# KiCad board vanilla-ice40-8k.kicad_pcb
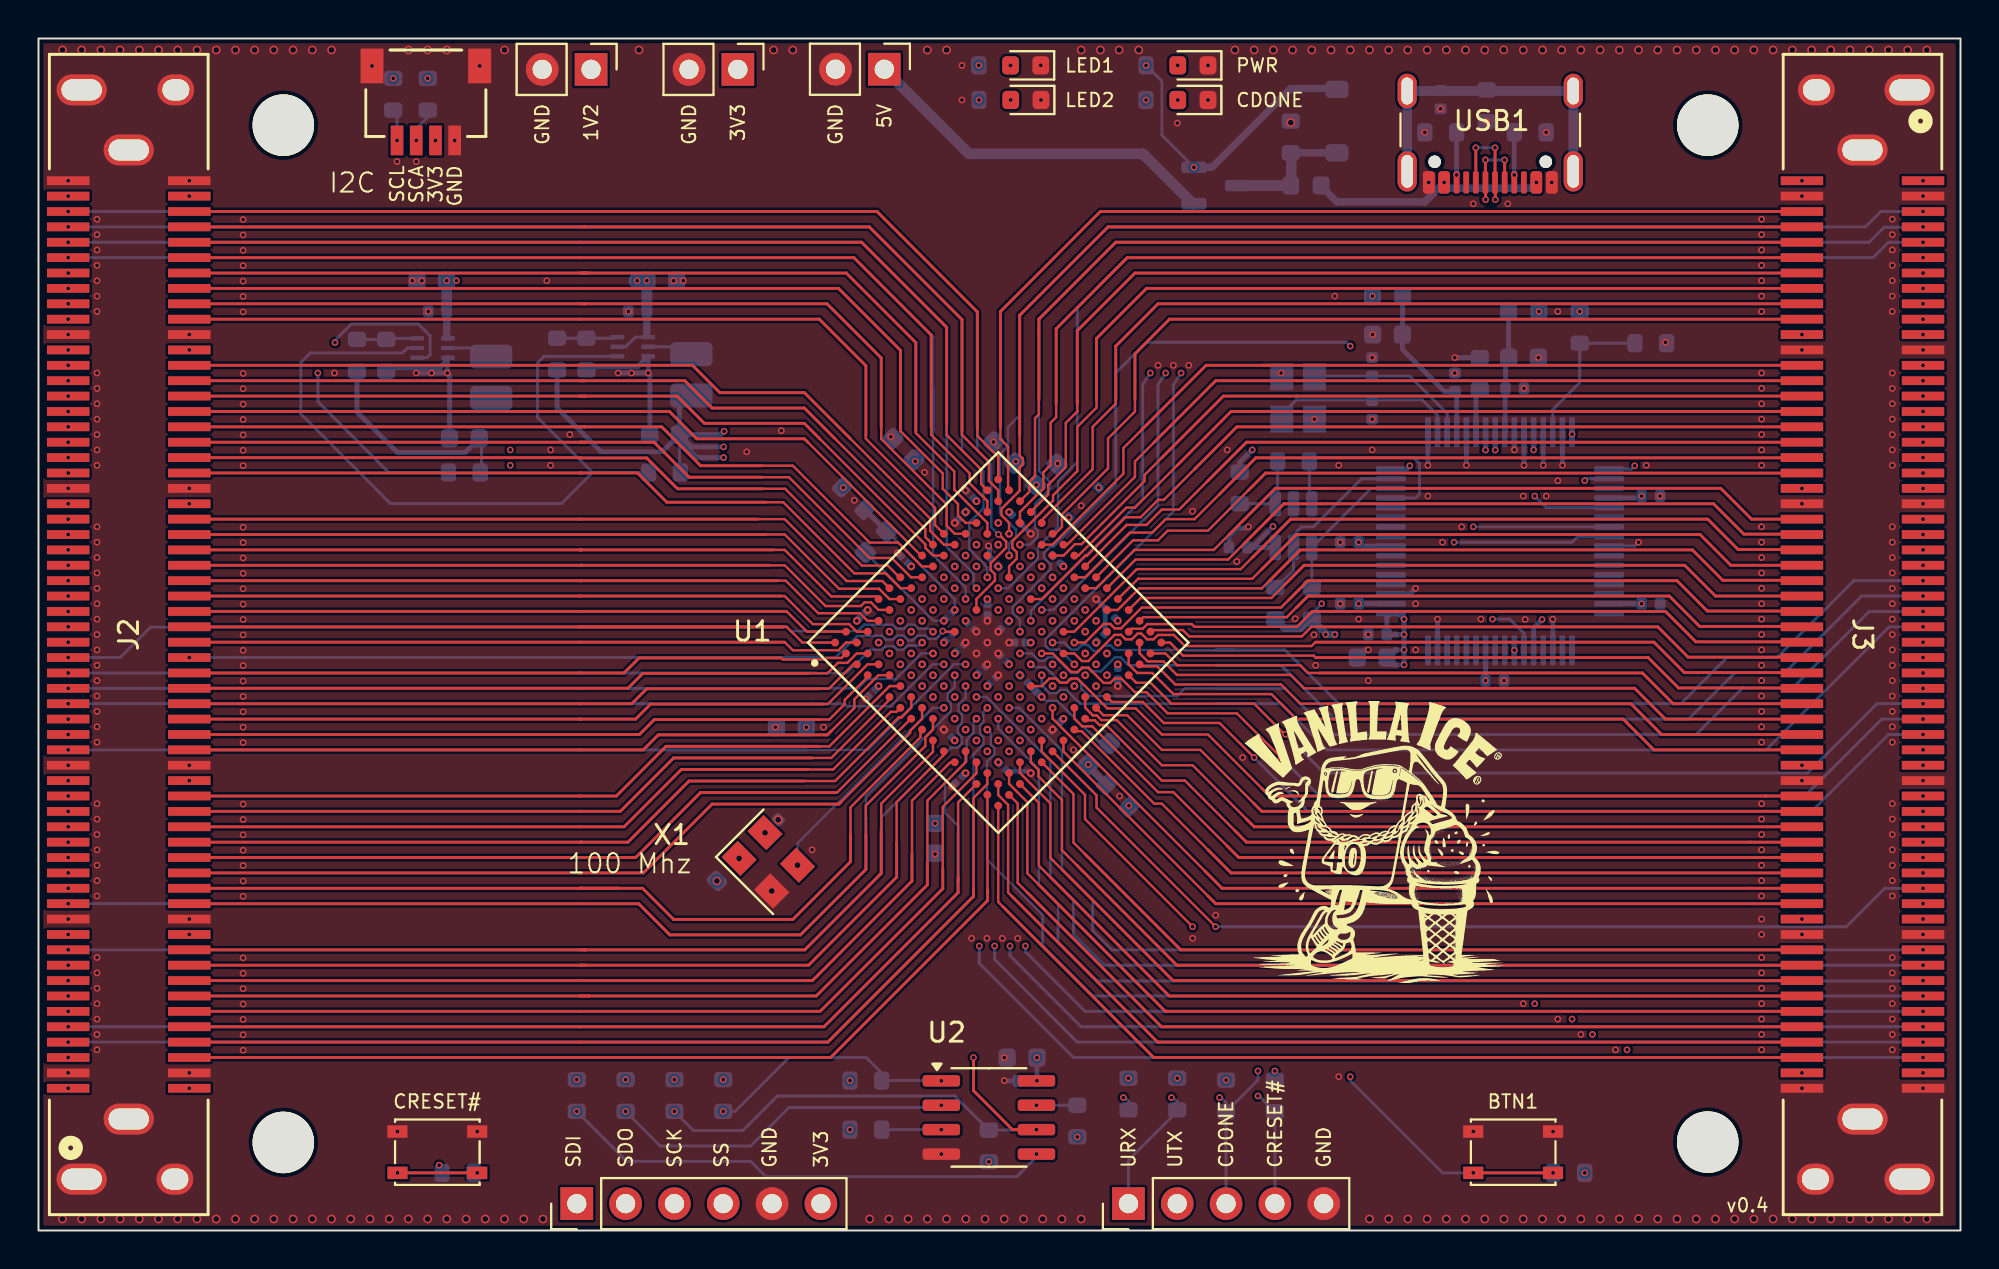
[diagram p0: board, top side]
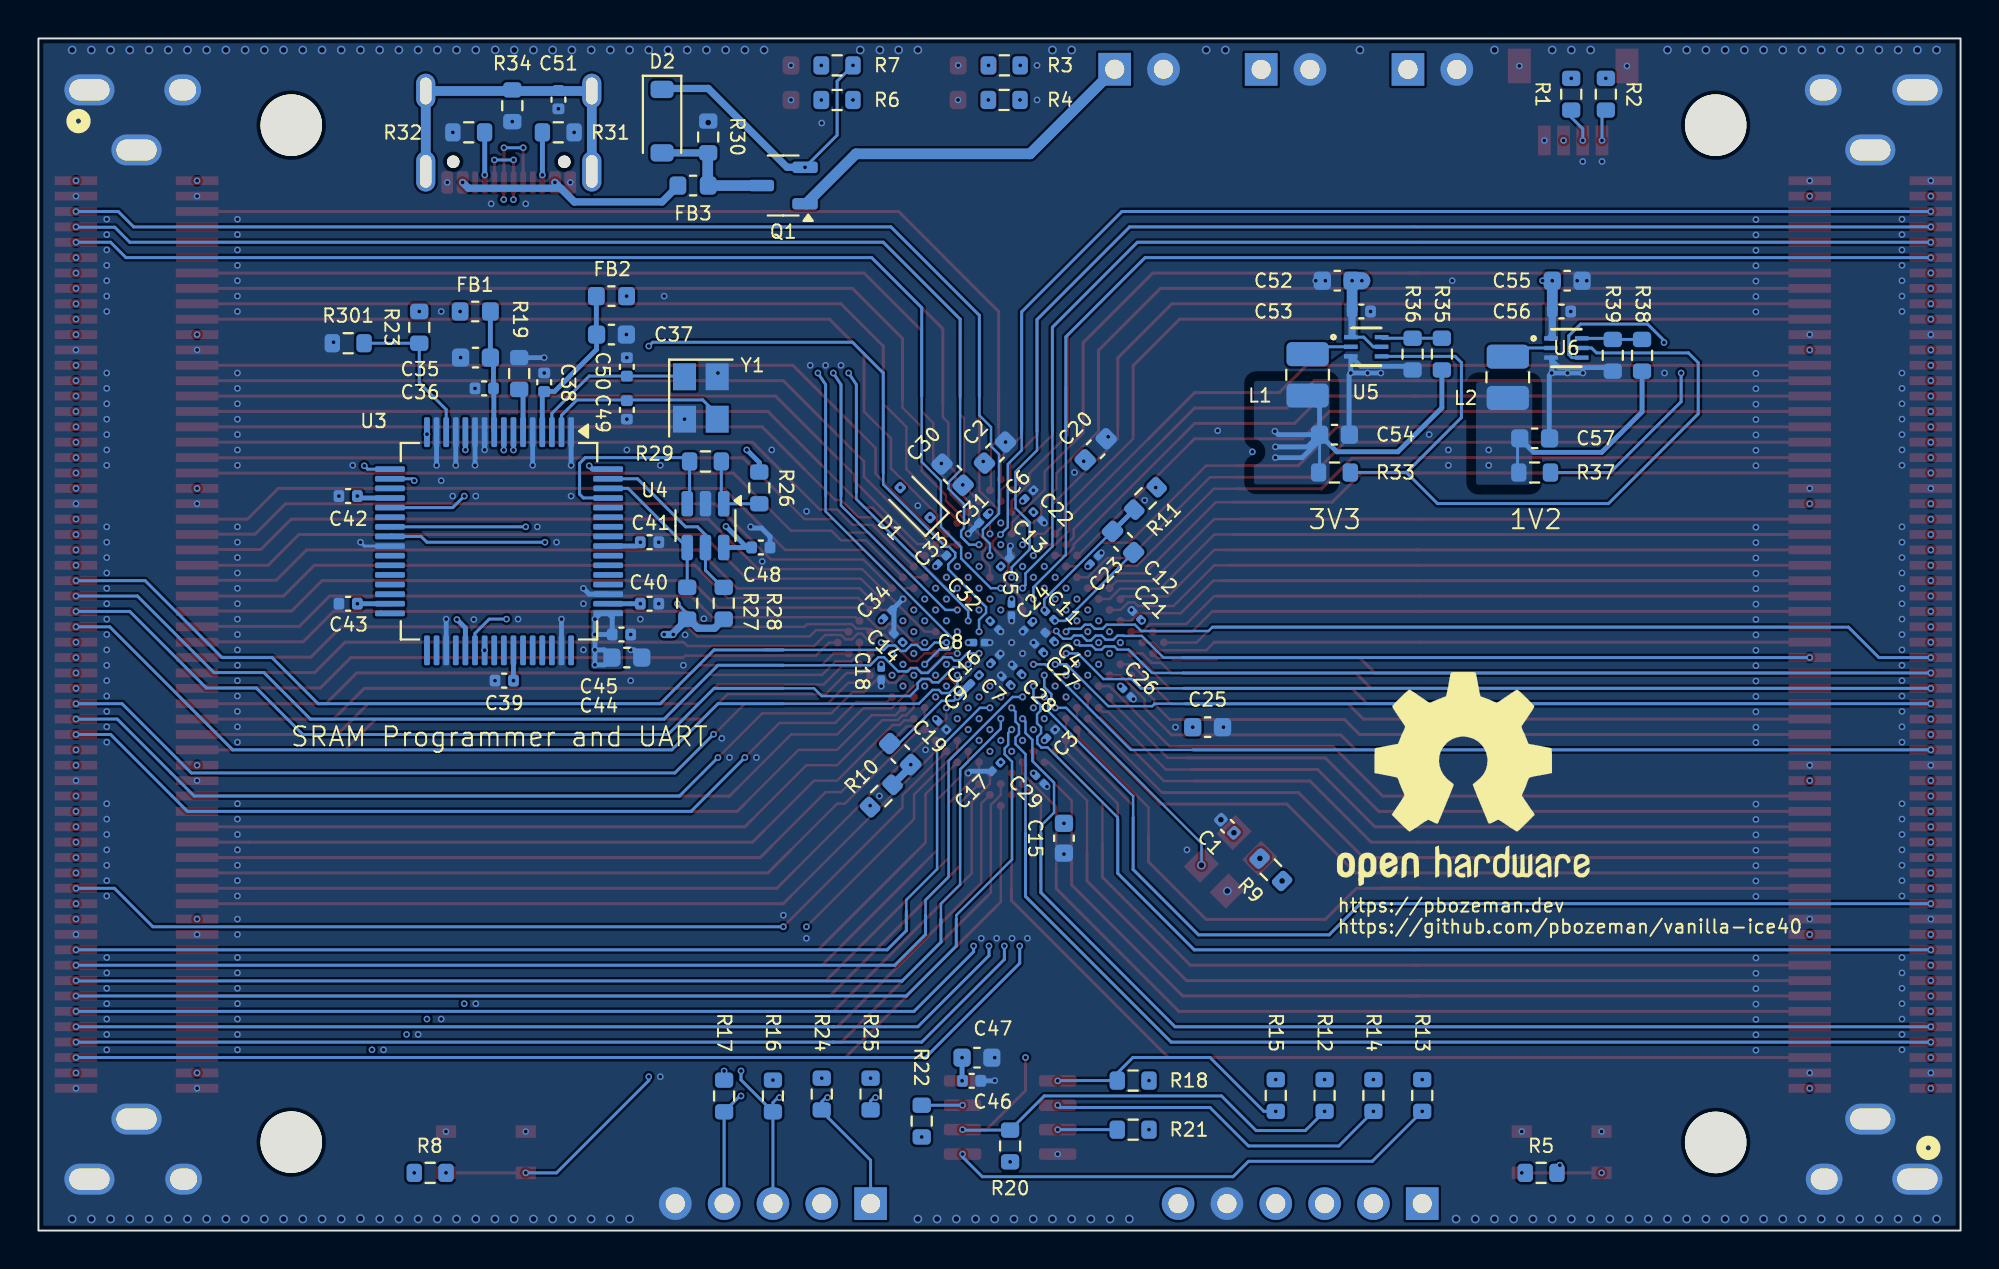
[diagram p1: board, bottom side, seen from below]

Outline 100 x 62 mm; copper layers: Top, In1.Cu (plane), In2.Cu, In3.Cu, In4.Cu (plane), Bottom. Coordinates in mm from the lower left corner of the outline.
Outline path: rectangle 0,62 100,0
Stack: Top 0.035mm / dielectric 0.1mm FR4 er 4.5 / In1.Cu 0.035mm / dielectric 0.535mm FR4 er 4.5 / In2.Cu 0.035mm / dielectric 0.1mm FR4 er 4.5 / In3.Cu 0.035mm / dielectric 0.535mm FR4 er 4.5 / In4.Cu 0.035mm / dielectric 0.1mm FR4 er 4.5 / Bottom 0.035mm

## Placement (name value [footprint] x y rotation side)
5V_1  Red  [D_0603_1608Metric]  60.06 60.6 180 top
BUT1  SPDT  [SW_SPST_PTS810]  76.72 4.08 0 top
C1  0.1uf  [C_0402_1005Metric]  38.14 21.03 45 bottom
C2  22uf  [C_0603_1608Metric]  50.23 40.46 135 bottom
C3  0.1uf  [C_0201_0603Metric]  47.33 25.83 135 bottom
C4  0.1uf  [C_0201_0603Metric]  47.39 30.86 45 bottom
C5  0.1uf  [C_0201_0603Metric]  49.38 32.3 270 bottom
C6  0.1uf  [C_0201_0603Metric]  48.46 38.27 135 bottom
C7  0.1uf  [C_0201_0603Metric]  49.65 28.6 45 bottom
C8  0.1uf  [C_0201_0603Metric]  51.06 30.58 180 bottom
C9  0.1uf  [C_0201_0603Metric]  51.29 28.66 315 bottom
C10  22uf  [C_0603_1608Metric]  55.17 24.78 45 bottom
C11  0.1uf  [C_0201_0603Metric]  47.39 31.99 225 bottom
C12  22uf  [C_0603_1608Metric]  43.57 35.81 225 bottom
C13  0.1uf  [C_0201_0603Metric]  49.71 34.77 135 bottom
C14  0.1uf  [C_0201_0603Metric]  55.27 30.82 45 bottom
C15  22uf  [C_0603_1608Metric]  46.65 20.41 270 bottom
C16  0.1uf  [C_0201_0603Metric]  50.22 29.73 135 bottom
C17  0.1uf  [C_0201_0603Metric]  50.18 24.11 315 bottom
C18  0.1uf  [C_0201_0603Metric]  56.16 28.97 270 bottom
C19  0.1uf  [C_0201_0603Metric]  52.99 26.28 225 bottom
C20  22uf  [C_0603_1608Metric]  45 40.63 135 bottom
C21  0.1uf  [C_0201_0603Metric]  42.86 31.99 45 bottom
C22  0.1uf  [C_0201_0603Metric]  48.01 37.14 225 bottom
C23  0.1uf  [C_0201_0603Metric]  45.07 34.88 135 bottom
C24  0.1uf  [C_0201_0603Metric]  48.52 31.43 315 bottom
C25  22uf  [C_0603_1608Metric]  39.17 26.18 180 bottom
C26  0.1uf  [C_0201_0603Metric]  43.37 27.98 225 bottom
C27  0.1uf  [C_0201_0603Metric]  47.95 30.3 45 bottom
C28  0.1uf  [C_0201_0603Metric]  49.08 29.17 45 bottom
C29  0.1uf  [C_0201_0603Metric]  47.9 23.45 225 bottom
C30  22uf  [C_0603_1608Metric]  52.44 39.31 45 bottom
C31  0.1uf  [C_0201_0603Metric]  50.84 37.03 315 bottom
C32  0.1uf  [C_0201_0603Metric]  50.25 31.47 225 bottom
C33  0.1uf  [C_0201_0603Metric]  52.99 34.88 135 bottom
C34  0.1uf  [C_0201_0603Metric]  55.82 32.05 135 bottom
C35  22uf  [C_0603_1608Metric]  77.26 45.4 0 bottom
C36  0.1uf  [C_0402_1005Metric]  76.81 43.8 0 bottom
C37  22uf  [C_0603_1608Metric]  70.19 46.6 180 bottom
C38  0.1uf  [C_0402_1005Metric]  73.69 44.12 90 bottom
C39  0.1uf  [C_0402_1005Metric]  75.77 28.6 0 bottom
C40  0.1uf  [C_0402_1005Metric]  68.21 32.6 180 bottom
C41  0.1uf  [C_0402_1005Metric]  68.21 35.8 180 bottom
C42  0.1uf  [C_0402_1005Metric]  83.89 38.2 0 bottom
C43  0.1uf  [C_0402_1005Metric]  83.89 32.6 0 bottom
C44  22uf  [C_0603_1608Metric]  69.39 29.8 180 bottom
C45  0.1uf  [C_0402_1005Metric]  69.67 31 180 bottom
C46  0.1uf  [C_0402_1005Metric]  51.45 7.79 180 bottom
C47  22uf  [C_0603_1608Metric]  51.17 8.99 180 bottom
C48  0.1uf  [C_0402_1005Metric]  62.42 35.53 180 bottom
C49  27pf  [C_0402_1005Metric]  69.39 42.68 270 bottom
C50  27pf  [C_0402_1005Metric]  69.39 44.92 90 bottom
C51  0.1uf  [C_0402_1005Metric]  72.95 58.82 90 bottom
C52  22uf  [C_0603_1608Metric]  32.43 49.4 0 bottom
C53  0.1uf  [C_0402_1005Metric]  31.18 47.8 180 bottom
C54  22uf  [C_0603_1608Metric]  32.57 41.39 180 bottom
C55  22uf  [C_0603_1608Metric]  20.47 49.4 180 bottom
C56  0.1uf  [C_0402_1005Metric]  20.76 47.8 180 bottom
C57  22uf  [C_0603_1608Metric]  22.16 41.2 180 bottom
CDONE1  Green  [D_0603_1608Metric]  60.06 58.8 180 top
D1  1N4148WSF-7  [D_SOD-323F]  54.39 37.86 45 bottom
D2  1N5819HW  [D_SOD-123]  67.56 57.7 270 bottom
FB1  600ohm/500ma  [L_0603_1608Metric]  77.28 47.8 180 bottom
FB2  600ohm/500ma  [L_0603_1608Metric]  70.19 48.6 0 bottom
FB3  600ohm/1.5A  [L_0603_1608Metric]  65.94 54.35 180 bottom
G***  LOGO  [logo]  69.65 20.2 0 top
H101  MountingHole  [MountingHole_3.2mm_M3]  12.74 57.49 0 top  (not fitted)
H102  MountingHole  [MountingHole_3.2mm_M3]  86.85 57.49 0 top  (not fitted)
H103  MountingHole  [MountingHole_3.2mm_M3]  12.74 4.58 0 top  (not fitted)
H104  MountingHole  [MountingHole_3.2mm_M3]  86.85 4.6 0 top  (not fitted)
J1  SM04B-SRSS-TBLFSN  [CONN_SM04B_JST]  21.66 56.69 180 top
J2  FX18-120S-0.8SV20  [CUSTOM_FX_120S-0.8SH20]  4.7 31 90 top
J3  FX18-120S-0.8SV20  [CUSTOM_FX_120S-0.8SH20]  94.9 31 270 top
J4  Conn_01x05_Pin  [PinHeader_1x05_P2.54mm_Vertical]  56.71 1.4 90 top  (not fitted)
J5  Conn_01x06_Pin  [PinHeader_1x06_P2.54mm_Vertical]  28.01 1.4 90 top  (not fitted)
J7  Conn_01x02_Pin  [PinHeader_1x02_P2.54mm_Vertical]  44.01 60.4 270 top  (not fitted)
J8  Conn_01x02_Pin  [PinHeader_1x02_P2.54mm_Vertical]  36.39 60.39 270 top  (not fitted)
J9  Conn_01x02_Pin  [PinHeader_1x02_P2.54mm_Vertical]  28.75 60.39 270 top  (not fitted)
L1  2.2uH  [L_1008_2520Metric]  33.97 44.5 270 bottom
L2  2.2uH  [L_1008_2520Metric]  23.56 44.38 270 bottom
Q1  DMG2305UX-13  [SOT-23-3]  61.26 54.35 0 bottom
R1  2.2k  [R_0603_1608Metric]  20.26 59.1 270 bottom
R2  2.2k  [R_0603_1608Metric]  18.46 59.1 270 bottom
R3  2.2k  [R_0603_1608Metric]  49.75 60.6 0 bottom
R4  2.2k  [R_0603_1608Metric]  49.76 58.8 0 bottom
R5  10k  [R_0603_1608Metric]  21.82 3 180 bottom
R6  2.2k  [R_0603_1608Metric]  58.45 58.8 0 bottom
R7  5.1k  [R_0603_1608Metric]  58.45 60.6 180 bottom
R8  10k  [R_0603_1608Metric]  79.62 3 0 bottom
R9  0  [R_0603_1608Metric]  35.88 18.77 225 bottom
R10  100  [R_0603_1608Metric]  56.15 22.6 135 bottom
R11  100  [R_0603_1608Metric]  42.4 38.08 315 bottom
R12  0  [R_0603_1608Metric]  33.09 7.03 270 bottom
R13  0  [R_0603_1608Metric]  28.01 7.03 270 bottom
R14  0  [R_0603_1608Metric]  30.55 7.03 270 bottom
R15  0  [R_0603_1608Metric]  35.63 7.03 270 bottom
R16  0  [R_0603_1608Metric]  61.79 7 270 bottom
R17  0  [R_0603_1608Metric]  64.33 7 270 bottom
R18  10k  [R_0603_1608Metric]  43.05 7.8 0 bottom
R19  12k  [R_0603_1608Metric]  74.99 44.58 270 bottom
R20  10k  [R_0603_1608Metric]  49.45 4.4 90 bottom
R21  10k  [R_0603_1608Metric]  43.05 5.25 0 bottom
R22  10k  [R_0603_1608Metric]  54.05 5.69 90 bottom
R23  2.2k  [R_0603_1608Metric]  80.19 46.98 270 bottom
R24  0  [R_0603_1608Metric]  59.25 7.1 270 bottom
R25  0  [R_0603_1608Metric]  56.71 7.1 270 bottom
R26  10k  [R_0603_1608Metric]  62.5 38.62 270 bottom
R27  10k  [R_0603_1608Metric]  66.25 32.62 90 bottom
R28  10k  [R_0603_1608Metric]  64.35 32.62 90 bottom
R29  2.2k  [R_0603_1608Metric]  65.3 40 0 bottom
R30  10k  [R_0603_1608Metric]  65.16 56.88 270 bottom
R31  5.1k  [R_0603_1608Metric]  72.96 57.12 0 bottom
R32  5.1k  [R_0603_1608Metric]  77.61 57.12 180 bottom
R33  10k  [R_0603_1608Metric]  32.57 39.42 180 bottom
R34  10M  [R_0603_1608Metric]  75.35 58.5 270 bottom
R35  45.3k  [R_0603_1608Metric]  26.98 45.58 270 bottom
R36  10k  [R_0603_1608Metric]  28.51 45.58 90 bottom
R37  10k  [R_0603_1608Metric]  22.16 39.42 180 bottom
R38  10k  [R_0603_1608Metric]  16.57 45.52 270 bottom
R39  10k  [R_0603_1608Metric]  18.09 45.52 90 bottom
R301  0  [R_0603_1608Metric]  83.89 46.15 180 bottom  (not fitted)
REF**  -  [OSHW-Logo2_14.6x12mm_SilkScreen]  25.87 23.5 180 bottom
RESET1  SPDT  [SW_SPST_PTS810]  20.75 4.08 0 top
U1  ICE40HX8K-CT256  [BGA256C80P16X16_1400X1400X170]  49.93 30.58 45 top
U2  W25X40CLSN  [SOIC-8_3.9x4.9mm_P1.27mm]  49.45 5.88 0 top
U3  FT2232HL  [LQFP-64_10x10mm_P0.5mm]  76.04 35.85 270 bottom
U4  93LCxxBxxOT  [SOT-23-6]  65.3 36.66 270 bottom
U5  TPS563252DRLR  [SOT6_DRL_TEX]  30.92 45.97 180 bottom
U6  TPS563252DRLR  [SOT6_DRL_TEX]  20.51 45.9 180 bottom
USB1  USB_C_Receptacle_USB2.0_16P  [USB_C_Receptacle_GCT_USB4105-xx-A_16P_TopMnt_Horizontal]  75.53 58.19 180 top
USR1  Blue  [D_0603_1608Metric]  51.36 60.6 180 top
USR2  Blue  [D_0603_1608Metric]  51.37 58.8 180 top
X1  SG-8101CE 100Mhz  [Oscillator_SMD_SeikoEpson_SG8002CE-4Pin_3.2x2.5mm]  37.97 19.18 315 top
Y1  12Mhz/18pf  [Crystal_SMD_3225-4Pin_3.2x2.5mm]  65.54 43.3 270 bottom

## Library data of the parts
5V_1 = -: Description: Light emitting diode, small symbol; LCSC Part #: C2286; Digi-Key Part Number: 732-4978-1-ND; ki_fp_filters: LED* LED_SMD:* LED_THT:*
BUT1 RESET1 = -: Description: Push button switch, generic, two pins; LCSC Part #: C221897; Digi-Key Part Number: CKN10503CT-ND
C1 C36 C38-C43 C45 C46 C48 C51 C53 C56 = -: Description: Unpolarized capacitor, small symbol; LCSC Part #: C1525; Digi-Key Part Number: 490-6328-1-ND; ki_fp_filters: C_*
C2 C10 C12 C15 C20 C25 C30 C35 C37 C44 C47 C52 C54 C55 C57 = -: Description: Unpolarized capacitor, small symbol; LCSC Part #: C59461; Digi-Key Part Number: 490-7611-1-ND; ki_fp_filters: C_*
C3-C9 C11 C13 C14 C16-C19 C21-C24 C26-C29 C31-C34 = -: Description: Unpolarized capacitor, small symbol; LCSC Part #: C160831; Digi-Key Part Number: 490-14305-1-ND; ki_fp_filters: C_*
C49 C50 = -: Description: Unpolarized capacitor, small symbol; LCSC Part #: C1555; Digi-Key Part Number: 490-5869-1-ND; ki_fp_filters: C_*
CDONE1 = -: Description: Light emitting diode, small symbol; LCSC Part #: C434423; Digi-Key Part Number: 732-4971-1-ND; ki_fp_filters: LED* LED_SMD:* LED_THT:*
D1 = -: Description: Diode, small symbol, filled shape; Sim.Device: D; Sim.Pins: 1=K 2=A; LCSC Part #: C119617; Digi-Key Part Number: 1N4148WSF-7DICT-ND; ki_fp_filters: TO-???* *_Diode_* *SingleDiode* D_*
D2 = -: Description: 40V/1A; MPN: 1N5819HW-7-F; Package: SOD-123; Digi-Key Part Number: 1N5819HW-FDICT-ND; LCSC Part #: C82544; ki_fp_filters: D*DO?41*
FB1-FB3 = -: Description: Ferrite bead, small symbol; LCSC Part #: C1002; Digi-Key Part Number: 490-5258-1-ND; ki_fp_filters: Inductor_* L_* *Ferrite*
H101-H104 = -: Description: Mounting Hole without connection; Digi-Key Part Number: DNP; LCSC Part #: DNP; ki_fp_filters: MountingHole*
J1 = -: LCSC Part #: C160404; JLCPCB Position Offset: 1.524,-2.032; Digi-Key Part Number: 455-SM04B-SRSS-TBCT-ND; ki_fp_filters: CONN_SM04B_JST
J2 J3 = -: Datasheet: https://www.hirose.com/en/product/document?clcode=CL0579-0033-9-00&productname=FX18-120S-0.8SV20&series=FX18&documenttype=2DDrawing&lang=en&documentid=0000949622; Digi-Key Part Number: H11867-ND; LCSC Part #: C598059; ki_fp_filters: CONN_120S-0.8SV20
J4 = -: Description: Generic connector, single row, 01x05, script generated; Digi-Key Part Number: DNP; LCSC Part #: DNP; ki_fp_filters: Connector*:*_1x??_*
J5 = -: Description: Generic connector, single row, 01x06, script generated; Digi-Key Part Number: DNP; LCSC Part #: DNP; ki_fp_filters: Connector*:*_1x??_*
J7-J9 = -: Description: Generic connector, single row, 01x02, script generated; Digi-Key Part Number: DNP; LCSC Part #: DNP; ki_fp_filters: Connector*:*_1x??_*
L1 L2 = -: Description: Inductor, small symbol; LCSC Part #: C391305; Digi-Key Part Number: 490-10649-1-ND; ki_fp_filters: Choke_* *Coil* Inductor_* L_*
Q1 = -: Description: P-MOSFET transistor, drain/source/gate; Digi-Key Part Number: DMG2305UX-13DICT-ND; LCSC Part #: C144153
R1-R4 R6 R23 R29 = -: Description: Resistor, small symbol; LCSC Part #: C4190; Digi-Key Part Number: 118-CR0603-FX-2201ELFCT-ND; ki_fp_filters: R_*
R5 R8 R18 R20-R22 R26-R28 R30 R33 R36-R39 = -: Description: Resistor, small symbol; LCSC Part #: C25804; Digi-Key Part Number: CR0603-FX-1002ELFCT-ND; ki_fp_filters: R_*
R7 R31 R32 = -: Description: Resistor, small symbol; LCSC Part #: C23186; Digi-Key Part Number: CR0603-FX-5101ELFCT-ND; ki_fp_filters: R_*
R9 R12-R17 R24 R25 R301 = -: Description: Resistor, small symbol; LCSC Part #: C21189; Digi-Key Part Number: CR0603-J/-000ELFCT-ND; ki_fp_filters: R_*
R10 R11 = -: Description: Resistor, small symbol; LCSC Part #: C22775; Digi-Key Part Number: CR0603-FX-1000ELFCT-ND; ki_fp_filters: R_*
R19 = -: Description: Resistor, small symbol; LCSC Part #: C22790; Digi-Key Part Number: 118-CR0603-FX-1202ELFCT-ND; ki_fp_filters: R_*
R34 = -: Description: Resistor, small symbol; LCSC Part #: C7250; Digi-Key Part Number: CR0603-FW-1005ELFCT-ND; ki_fp_filters: R_*
R35 = -: Description: Resistor, small symbol; LCSC Part #: C23058; Digi-Key Part Number: CR0603-FX-4532ELFCT-ND; ki_fp_filters: R_*
U1 = -: MF: Lattice Semiconductor; Description_1: iCE40™ HX Field Programmable Gate Array (FPGA) IC 206 131072 7680 256-LFBGA; Package: CABGA-256 Lattice Semiconductor; Price: None; Check_prices: https://www.snapeda.com/parts/ICE40HX8K-CT256/Lattice+Semiconductor+Corporation/view-part/?ref=eda; PART_REV: 3.4; STANDARD: IPC-7351B; SnapEDA_Link: https://www.snapeda.com/parts/ICE40HX8K-CT256/Lattice+Semiconductor+Corporation/view-part/?ref=snap; Availability: In Stock; MANUFACTURER: Lattice Semiconductor; Digi-Key Part Number: 220-1575-ND; LCSC Part #: C1521993
U2 = -: Datasheet: https://www.winbond.com/resource-files/W25X40CL_G%2020210505.pdf; Description: 4Mbit Serial Flash memory, dual I/O SPI, SOIC-8; LCSC Part #: C19617; Digi-Key Part Number: W25X40CLSNIG-ND; ki_fp_filters: SOIC*3.9x4.9mm*P1.27mm*
U3 = -: Datasheet: https://www.ftdichip.com/Support/Documents/DataSheets/ICs/DS_FT2232H.pdf; Description: Hi Speed Double Channel USB UART/FIFO, LQFP-64; LCSC Part #: C27882; JLCPCB Rotation Offset: 90; Digi-Key Part Number: 768-1024-1-ND; ki_fp_filters: LQFP*10x10mm*P0.5mm*
U4 = -: Datasheet: http://ww1.microchip.com/downloads/en/DeviceDoc/20001749K.pdf; Description: Serial EEPROM, 93 Series, 2.5V, SOT-23-6; LCSC Part #: C190271; Digi-Key Part Number: 93LC56BT-I/OTCT-ND; ki_fp_filters: SOT?23*
U5 U6 = -: Datasheet: https://www.ti.com/lit/ds/symlink/tps563252.pdf?ts=1715941486178; LCSC Part #: C19188399; JLCPCB Rotation Offset: -90; Digi-Key Part Number: 296-TPS563252DRLRCT-ND; ki_fp_filters: SOT6_DRL_TEX SOT6_DRL_TEX-M SOT6_DRL_TEX-L
USB1 = -: Datasheet: https://www.usb.org/sites/default/files/documents/usb_type-c.zip; Description: USB 2.0-only 16P Type-C Receptacle connector; Package: SMD; LCSC Part #: C2686968; JLCPCB Position Offset: 0,1.3335; Digi-Key Part Number: 2073-USB4105-GF-ACT-ND; ki_fp_filters: USB*C*Receptacle*
USR1 USR2 = -: Description: Light emitting diode, small symbol; LCSC Part #: C965807; Digi-Key Part Number: 732-4966-1-ND; ki_fp_filters: LED* LED_SMD:* LED_THT:*
X1 = -: Datasheet: https://support.epson.biz/td/api/doc_check.php?mode=dl&lang=en&Parts=SG-8002DC; Description: CMOS Clock Oscillator; LCSC Part #: C390559; Digi-Key Part Number: 50-ECS-3225MVQ-1000-CN-CT-ND; ki_fp_filters: Oscillator*SMD*SeikoEpson*SG8002CE*3.2x2.5mm*
Y1 = -: Description: Four pin crystal, GND on pins 2 and 4, small symbol; LCSC Part #: C390764; Digi-Key Part Number: 535-10261-1-ND; ki_fp_filters: Crystal*

## Footprints (pads in the part's own frame, mm; a bottom-side part is the same pattern mirrored in y, then rotated)
BGA256C80P16X16_1400X1400X170
  round 0.41 smd: A1(-6,6) A2(-5.2,6) A3(-4.4,6) A4(-3.6,6) A5(-2.8,6) A6(-2,6) A7(-1.2,6) A8(-0.4,6) A9(0.4,6) A10(1.2,6) A11(2,6) A12(2.8,6) A13(3.6,6) A14(4.4,6) A15(5.2,6) A16(6,6) B1(-6,5.2) B2(-5.2,5.2) B3(-4.4,5.2) B4(-3.6,5.2) B5(-2.8,5.2) B6(-2,5.2) B7(-1.2,5.2) B8(-0.4,5.2) B9(0.4,5.2) B10(1.2,5.2) B11(2,5.2) B12(2.8,5.2) B13(3.6,5.2) B14(4.4,5.2) B15(5.2,5.2) B16(6,5.2) C1(-6,4.4) C2(-5.2,4.4) C3(-4.4,4.4) C4(-3.6,4.4) C5(-2.8,4.4) C6(-2,4.4) C7(-1.2,4.4) C8(-0.4,4.4) C9(0.4,4.4) C10(1.2,4.4) C11(2,4.4) C12(2.8,4.4) C13(3.6,4.4) C14(4.4,4.4) C15(5.2,4.4) C16(6,4.4) D1(-6,3.6) D2(-5.2,3.6) D3(-4.4,3.6) D4(-3.6,3.6) D5(-2.8,3.6) D6(-2,3.6) D7(-1.2,3.6) D8(-0.4,3.6) D9(0.4,3.6) D10(1.2,3.6) D11(2,3.6) D12(2.8,3.6) D13(3.6,3.6) D14(4.4,3.6) D15(5.2,3.6) D16(6,3.6) E1(-6,2.8) E2(-5.2,2.8) E3(-4.4,2.8) E4(-3.6,2.8) E5(-2.8,2.8) E6(-2,2.8) E7(-1.2,2.8) E8(-0.4,2.8) E9(0.4,2.8) E10(1.2,2.8) E11(2,2.8) E12(2.8,2.8) E13(3.6,2.8) E14(4.4,2.8) E15(5.2,2.8) E16(6,2.8) F1(-6,2) F2(-5.2,2) F3(-4.4,2) F4(-3.6,2) F5(-2.8,2) F6(-2,2) F7(-1.2,2) F8(-0.4,2) F9(0.4,2) F10(1.2,2) F11(2,2) F12(2.8,2) F13(3.6,2) F14(4.4,2) F15(5.2,2) F16(6,2) G1(-6,1.2) G2(-5.2,1.2) G3(-4.4,1.2) G4(-3.6,1.2) G5(-2.8,1.2) G6(-2,1.2) G7(-1.2,1.2) G8(-0.4,1.2) G9(0.4,1.2) G10(1.2,1.2) G11(2,1.2) G12(2.8,1.2) G13(3.6,1.2) G14(4.4,1.2) G15(5.2,1.2) G16(6,1.2) H1(-6,0.4) H2(-5.2,0.4) H3(-4.4,0.4) H4(-3.6,0.4) H5(-2.8,0.4) H6(-2,0.4) H7(-1.2,0.4) H8(-0.4,0.4) H9(0.4,0.4) H10(1.2,0.4) H11(2,0.4) H12(2.8,0.4) H13(3.6,0.4) H14(4.4,0.4) H15(5.2,0.4) H16(6,0.4) J1(-6,-0.4) J2(-5.2,-0.4) J3(-4.4,-0.4) J4(-3.6,-0.4) J5(-2.8,-0.4) J6(-2,-0.4) J7(-1.2,-0.4) J8(-0.4,-0.4) J9(0.4,-0.4) J10(1.2,-0.4) J11(2,-0.4) J12(2.8,-0.4) J13(3.6,-0.4) J14(4.4,-0.4) J15(5.2,-0.4) J16(6,-0.4) K1(-6,-1.2) K2(-5.2,-1.2) K3(-4.4,-1.2) K4(-3.6,-1.2) K5(-2.8,-1.2) K6(-2,-1.2) K7(-1.2,-1.2) K8(-0.4,-1.2) K9(0.4,-1.2) K10(1.2,-1.2) K11(2,-1.2) K12(2.8,-1.2) K13(3.6,-1.2) K14(4.4,-1.2) K15(5.2,-1.2) K16(6,-1.2) L1(-6,-2) L2(-5.2,-2) L3(-4.4,-2) L4(-3.6,-2) L5(-2.8,-2) L6(-2,-2) L7(-1.2,-2) L8(-0.4,-2) L9(0.4,-2) L10(1.2,-2) L11(2,-2) L12(2.8,-2) L13(3.6,-2) L14(4.4,-2) L15(5.2,-2) L16(6,-2) M1(-6,-2.8) M2(-5.2,-2.8) M3(-4.4,-2.8) M4(-3.6,-2.8) M5(-2.8,-2.8) M6(-2,-2.8) M7(-1.2,-2.8) M8(-0.4,-2.8) M9(0.4,-2.8) M10(1.2,-2.8) M11(2,-2.8) M12(2.8,-2.8) M13(3.6,-2.8) M14(4.4,-2.8) M15(5.2,-2.8) M16(6,-2.8) N1(-6,-3.6) N2(-5.2,-3.6) N3(-4.4,-3.6) N4(-3.6,-3.6) N5(-2.8,-3.6) N6(-2,-3.6) N7(-1.2,-3.6) N8(-0.4,-3.6) N9(0.4,-3.6) N10(1.2,-3.6) N11(2,-3.6) N12(2.8,-3.6) N13(3.6,-3.6) N14(4.4,-3.6) N15(5.2,-3.6) N16(6,-3.6) P1(-6,-4.4) P2(-5.2,-4.4) P3(-4.4,-4.4) P4(-3.6,-4.4) P5(-2.8,-4.4) P6(-2,-4.4) P7(-1.2,-4.4) P8(-0.4,-4.4) P9(0.4,-4.4) P10(1.2,-4.4) P11(2,-4.4) P12(2.8,-4.4) P13(3.6,-4.4) P14(4.4,-4.4) P15(5.2,-4.4) P16(6,-4.4) R1(-6,-5.2) R2(-5.2,-5.2) R3(-4.4,-5.2) R4(-3.6,-5.2) R5(-2.8,-5.2) R6(-2,-5.2) R7(-1.2,-5.2) R8(-0.4,-5.2) R9(0.4,-5.2) R10(1.2,-5.2) R11(2,-5.2) R12(2.8,-5.2) R13(3.6,-5.2) R14(4.4,-5.2) R15(5.2,-5.2) R16(6,-5.2) T1(-6,-6) T2(-5.2,-6) T3(-4.4,-6) T4(-3.6,-6) T5(-2.8,-6) T6(-2,-6) T7(-1.2,-6) T8(-0.4,-6) T9(0.4,-6) T10(1.2,-6) T11(2,-6) T12(2.8,-6) T13(3.6,-6) T14(4.4,-6) T15(5.2,-6) T16(6,-6)
C_0201_0603Metric
  rrect 0.318x0.36 smd: (-0.345,0) (0.345,0)
  rrect 0.46x0.4 smd: 1(-0.32,0) 2(0.32,0)
C_0402_1005Metric
  rrect 0.56x0.62 smd: 1(-0.48,0) 2(0.48,0)
C_0603_1608Metric
  rrect 0.9x0.95 smd: 1(-0.775,0) 2(0.775,0)
CONN_SM04B_JST
  rect 0.66x1.549 smd: 1(0,0) 2(1,0) 3(2,0) 4(3,0)
  rect 1.194x1.803 smd: S(-1.3,-3.875) S(4.3,-3.875)
Crystal_SMD_3225-4Pin_3.2x2.5mm
  rect 1.4x1.2 smd: 1(-1.1,-0.85) 2(1.1,-0.85) 3(1.1,0.85) 4(-1.1,0.85)
CUSTOM_FX_120S-0.8SH20
  rect 0.457x2.21 smd: 1(-23.6,3.15) 2(-22.8,3.15) 3(-22,3.15) 4(-21.2,3.15) 5(-20.4,3.15) 6(-19.6,3.15) 7(-18.8,3.15) 8(-18,3.15) 9(-17.2,3.15) 10(-16.4,3.15) 11(-15.6,3.15) 12(-14.8,3.15) 13(-14,3.15) 14(-13.2,3.15) 15(-12.4,3.15) 16(-11.6,3.15) 17(-10.8,3.15) 18(-10,3.15) 19(-9.2,3.15) 20(-8.4,3.15) 21(-7.6,3.15) 22(-6.8,3.15) 23(-6,3.15) 24(-5.2,3.15) 25(-4.4,3.15) 26(-3.6,3.15) 27(-2.8,3.15) 28(-2,3.15) 29(-1.2,3.15) 30(-0.4,3.15) 31(0.4,3.15) 32(1.2,3.15) 33(2,3.15) 34(2.8,3.15) 35(3.6,3.15) 36(4.4,3.15) 37(5.2,3.15) 38(6,3.15) 39(6.8,3.15) 40(7.6,3.15) 41(8.4,3.15) 42(9.2,3.15) 43(10,3.15) 44(10.8,3.15) 45(11.6,3.15) 46(12.4,3.15) 47(13.2,3.15) 48(14,3.15) 49(14.8,3.15) 50(15.6,3.15) 51(16.4,3.15) 52(17.2,3.15) 53(18,3.15) 54(18.8,3.15) 55(19.6,3.15) 56(20.4,3.15) 57(21.2,3.15) 58(22,3.15) 59(22.8,3.15) 60(23.6,3.15) 61(-23.6,-3.15) 62(-22.8,-3.15) 63(-22,-3.15) 64(-21.2,-3.15) 65(-20.4,-3.15) 66(-19.6,-3.15) 67(-18.8,-3.15) 68(-18,-3.15) 69(-17.2,-3.15) 70(-16.4,-3.15) 71(-15.6,-3.15) 72(-14.8,-3.15) 73(-14,-3.15) 74(-13.2,-3.15) 75(-12.4,-3.15) 76(-11.6,-3.15) 77(-10.8,-3.15) 78(-10,-3.15) 79(-9.2,-3.15) 80(-8.4,-3.15) 81(-7.6,-3.15) 82(-6.8,-3.15) 83(-6,-3.15) 84(-5.2,-3.15) 85(-4.4,-3.15) 86(-3.6,-3.15) 87(-2.8,-3.15) 88(-2,-3.15) 89(-1.2,-3.15) 90(-0.4,-3.15) 91(0.4,-3.15) 92(1.2,-3.15) 93(2,-3.15) 94(2.8,-3.15) 95(3.6,-3.15) 96(4.4,-3.15) 97(5.2,-3.15) 98(6,-3.15) 99(6.8,-3.15) 100(7.6,-3.15) 101(8.4,-3.15) 102(9.2,-3.15) 103(10,-3.15) 104(10.8,-3.15) 105(11.6,-3.15) 106(12.4,-3.15) 107(13.2,-3.15) 108(14,-3.15) 109(14.8,-3.15) 110(15.6,-3.15) 111(16.4,-3.15) 112(17.2,-3.15) 113(18,-3.15) 114(18.8,-3.15) 115(19.6,-3.15) 116(20.4,-3.15) 117(21.2,-3.15) 118(22,-3.15) 119(22.8,-3.15) 120(23.6,-3.15)
  oval 1.608x1.908 hole 1.1x1.4: 121(-28.325,-2.4) 125(28.325,-2.45)
  oval 1.608x2.608 hole 1.1x2.1: 122(-28.325,2.45) 123(-25.2,0) 124(25.2,0) 126(28.325,2.45)
D_0603_1608Metric